# Altium PCB LAY-94611_B.PcbDoc (part 9 of 16) (continued)
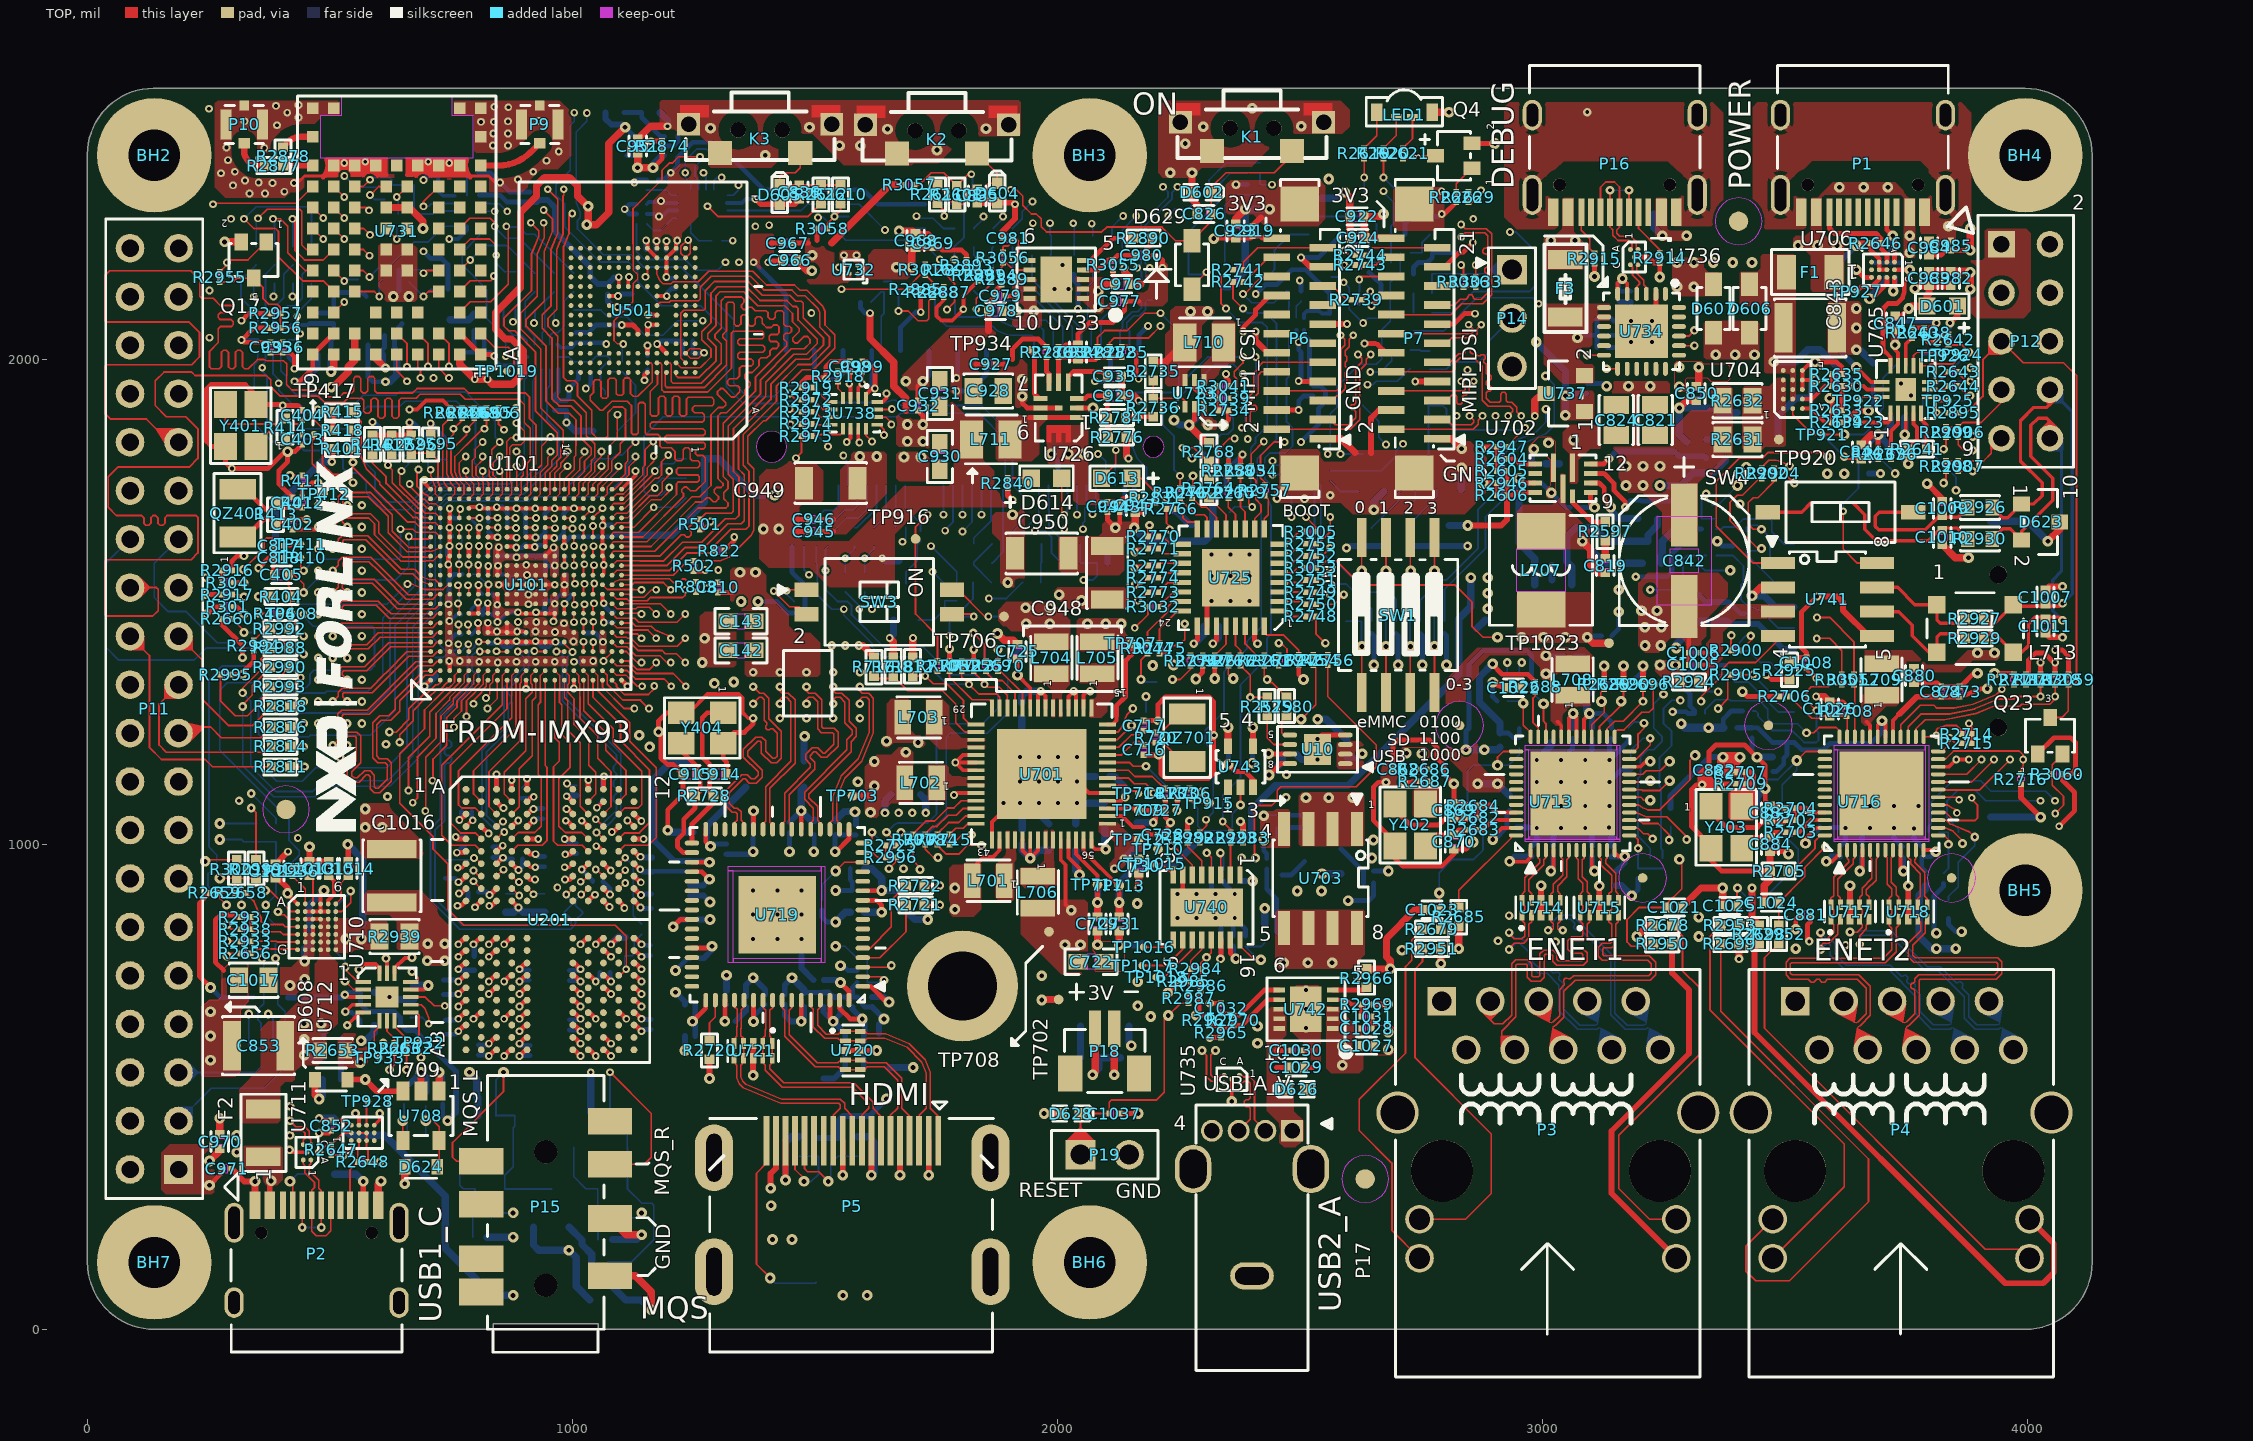
[diagram p0: TOP view]
## Nets (pads, with @x,y where several pads share a name; then routed paths per layer and width w, separated by ;. In a path a pad name is that pad's centre, name@x,y a point inside that pad or via, vN(x,y) a via of type N, cw(c..) or ccw(c..) an arc to the next point about the centre after c; other vN are vias at no path point) (continued)
I2C4_SDA: R2667.1 R2670.1 R2675.1 R2997.2 | length 2595.5
  ART08 w3.09: v6(387.84,765) 365.84,743 346.8,743 330.8,759 330.8,801 314.8,817 274.8,817 231.8,860 231.8,927 273.8,969 428.68,969 453.88,943.8 509.63,920.7 649.1,920.7 734.8,835 838.8,835 861.8,812 944.8,812 971.8,785 971.8,555 1023.8,503 1112.8,503 1216.8,607 1383.8,607 1404.8,628 1404.8,709 1494.8,799 1494.8,836 1532.8,874 1555.8,874 1587.8,906 1587.8,926 1632.8,971 1661.8,971 v6(1682.8,950)
  BOTTOM w3.62: 387.84,795.2 v6(387.84,765) 392.29,760.55 392.29,684 392.29,670.51 407.76,655.04 407.76,616.8 ; 1675.31,976 1675.31,957.49 v6(1682.8,950)
I2C_IND_RST_15_4: R3030.1 U748.3 | length 1080.3
  ART03 w3.09: v3(529.8,2378.5) 530.3,2378.5 553.8,2355 656.8,2355 663.8,2348 909.09,2348 959.09,2398 996.71,2398 999.8,2401.09 999.8,2479 1010.8,2490 1070.8,2490 1085.8,2505 1130,2505 1175,2460 1180,2460 1210,2430 1240,2430 1245,2435 1269.99,2435 1280,2424.99 1280,2394.33 v3(1270.67,2385)
  BOTTOM w3.62: v3(529.8,2378.5) 553.3,2355 602.29,2355 607.29,2360 ; v3(1270.67,2385) 1275.67,2380 U748.3@1275.67,2350.69
I2C_RST_IND: U731.C8 U748.7 | length 1758.8
  TOP w3.62: U731.C8@507.88,2096.77 v3(529.53,2118.42)
  ART03 w3.09: v3(529.53,2118.42) 568.27,2134.47 594.8,2161 751.8,2161 766.8,2146 985.8,2146 1090.8,2041 1090.8,2024 1107.8,2007 1225.8,2007 1254.8,2036 1346.8,2036 1360.8,2050 1462.8,2050 1483.8,2071 1496.8,2071 1516.8,2091 1516.8,2122 1534.3,2139.5 1534.3,2218.5 1549.8,2234 1611.8,2234 v3(1644.8,2267)
  BOTTOM w3.62: U748.7@1319.23,2307.13 1471.93,2307.13 1484.8,2320 1591.8,2320 v3(1644.8,2267)
I2C_WAKE_BT15_4: U731.J9 U748.5 | length 1420.6
  TOP w3.62: v9(258.8,2320) 260.8,2322 429.96,2322 U731.J9@464.57,2356.61
  ART08 w3.09: v9(258.8,2320) 265.3,2326.5 494.3,2326.5 522.8,2355 529.8,2355 568.8,2394 714.1,2394 758.6,2349.5 889.3,2349.5 907.3,2367.5 991.59,2367.5 1020.49,2338.6 1146.11,2338.6 1165.11,2357.6 1340.4,2357.6 v9(1342.8,2360)
  BOTTOM w3.62: U748.5@1319.23,2338.62 1331.42,2338.62 1342.8,2350 v9(1342.8,2360)
I2C_WAKE_WLAN: U731.J8 U748.4 | length 946.8
  TOP w3.62: U731.J8@507.88,2356.61 v3(529.53,2334.96)
  ART03 w3.09: v3(529.53,2334.96) 541.49,2323 610.8,2323 621.8,2312 661.8,2312 685.8,2336 911.8,2336 953.8,2378 998.8,2378 1006.8,2370 1096.8,2370 1117.8,2349 1134.8,2349 1152.8,2367 1169.8,2367 1185.8,2383 1185.8,2392 1196.8,2403 1237.8,2403 1249.8,2391 1249.8,2379 1260.8,2368 1300.8,2368 v3(1307.8,2375)
  BOTTOM w3.62: U748.4@1291.42,2350.69 1291.42,2368.62 1297.8,2375 v3(1307.8,2375)
I3C1_SCL: R2906.1 R3001.2 | length 6296.5
  TOP w3.62: v19(242.8,965) 246,968.2 R3001.2@307.76,968.2 ; 3857.8,1839.49 3857.8,1824.4 3869.2,1813 v20(3887.8,1813)
  ART06 w4: v19(242.8,965) 227.8,950 227.8,547 335.3,439.5 335.3,358.5 309.8,333 309.8,301 335.8,275 692.8,275 802.8,165 955.8,165 974.8,184 1089.8,184 1245.8,28 3515.81,28 4106.51,618.7 4106.51,1594.29 v20(3887.8,1813)
I3C1_SDA: R2907.1 R3000.2 | length 6345.8
  TOP w3.62: 3857.8,1769.49 v20(3887.8,1769.49)
  ART06 w4: v19(272.8,1043.2) 247.8,1018.2 247.8,1000 262.8,985 262.8,950 247.8,935 247.8,910 262.51,895.29 262.51,753 283.8,731.71 283.8,531.61 365.6,449.81 365.6,359.2 398.8,326 676.8,326 785.8,217 1305.8,217 1352.8,170 1352.8,119 1389.8,82 1528.8,82 1537.8,91 1727.8,91 1837.8,201 1882.8,201 1917.8,166 1917.8,111 1977.8,51 3509.8,51 4086.8,628 4086.8,1440.2 4082,1445 4061.8,1445 4018.8,1488 4018.8,1638.49 v20(3887.8,1769.49)
  BOTTOM w3.62: v19(272.8,1043.2) 348.76,1043.2
I3C2_SCL: R2896.2 R2909.1 | length 584.4
  TOP w3.62: v6(3827.8,1815) 3832.8,1820 3832.8,1839.49
  ART08 w3.09: v18(3402.8,1740) 3452.8,1740 3491.3,1701.5 3542.72,1701.5 3564.72,1723.5 3736.3,1723.5 v6(3827.8,1815)
  BOTTOM w3.62: 3349.51,1699.93 3362.73,1699.93 v18(3402.8,1740)
I3C2_SDA: R2898.2 R2908.1 | length 631
  TOP w3.62: v6(3827.8,1745) 3832.8,1750 3832.8,1769.49
  ART08 w3.09: v18(3387.8,1565) 3387.8,1577 3442.9,1632.1 3500.9,1632.1 3572.8,1704 3786.8,1704 v6(3827.8,1745)
  BOTTOM w3.62: R2898.2@3308.94,1574.53 3325.46,1574.53 3334.99,1565 v18(3387.8,1565)
I3C_INT: P12.5 Q23.3 R2895.2 R3059.2 | length 1233.8
  TOP w3.62: 3858.31,1890 3874.99,1890 3908.8,1923.81 3908.8,1999.28 P12.5@3947.13,2037.61 3991.74,1993 4075,1993 4102,1966 4102,1335 4096.49,1329.49 4085,1329.49 4085,1275.01 4071.46,1261.47 Q23.3@4047.5,1261.47
  TOP w10: v9(4057.8,1401) 4072,1401 4085,1388 R3059.2@4085,1350.51
  ART08 w15: 4020.63,1401 v9(4057.8,1401)
I3C_SCL: P12.7 R2906.2 R2909.2 | length 161.2
  TOP w3.62: 3832.8,1860.51 3857.8,1860.51 3867.29,1870 3905,1870 3947.13,1912.13 P12.7@3947.13,1937.61
I3C_SDA: P12.9 R2907.2 R2908.2 | length 139.7
  TOP w3.62: 3832.8,1790.51 3857.8,1790.51 3910.03,1790.51 3926.16,1806.64 3926.16,1816.64 P12.9@3947.13,1837.61
ILIM_5V_VBUS: TP933.1 U712.6 | length 84.7
  TOP w3.62: TP933.1@602.05,560 591.3,570.75 591.3,613.5 602.05,624.25 U712.6@602.05,635.79
IVDD_1V8: C891.1 C892.1 C893.1 C894.1 C895.1 FB26.2 U719.10 U719.35 U719.49 U719.64 | length 681.7
  TOP w10: U719.35@1246.62,963.27 v14(1282.8,963.27) ; v14(1247.8,635) 1275.16,662.36 U719.49@1275.16,678.82 ; v14(1552.8,715) 1570.44,697.36 U719.64@1570.44,678.82 ; U719.10@1598.98,884.53 1627.79,884.53 1637.8,874.52 v14(1637.8,860)
  BOTTOM w10: 1242.8,965.51 1280.56,965.51 v14(1282.8,963.27)
  BOTTOM w12: 1167.8,1007.99 1210.28,965.51 1242.8,965.51 ; C895.1@1253.31,605 1253.31,629.49 v14(1247.8,635) 1253.31,640.51 C892.1@1253.31,670 ; C893.1@1518.31,720 1547.8,720 v14(1552.8,715)
  BOTTOM w15: 1167.8,1007.99 1167.8,1135 1202.8,1170 FB26.2@1240.8,1170 ; 1602.56,860 v14(1637.8,860)
JTAG_TCK: P14.1 R403.1 R3018.1 U101.Y1 | length 4066.6
  TOP w3.62: U101.Y1@1081.76,1338.64 1091.12,1329.28 1091.12,1325.02 1107.14,1309 1156.75,1309 1168.8,1321.05 v3(1168.8,1326.5)
  ART03 w3.09: v3(1168.8,1326.5) 1168.8,1344 1154.8,1358 1136.8,1358 1122.8,1372 1122.8,1530 1147.8,1555 1198.77,1555 1260.17,1616.4 1423.17,1616.4 1433.17,1626.4 1634.2,1626.4 1670.8,1663 1817.8,1663 1824.8,1670 1824.8,1687 1866.45,1728.65 2098.49,1728.65 2120.84,1706.3 2209.24,1706.3 2219.54,1696 2369.83,1696 2387.31,1678.52 2428.25,1678.52 2450.77,1656 2519.8,1656 2560.8,1697 2603.8,1697 2632.8,1726 2699.8,1726 2769.8,1796 2872,1796 2886.5,1781.5 3099.5,1781.5 3134,1816 3274.8,1816 3315,1775.8 3315,1720.01 3330.01,1705 3369.5,1705 3394.5,1680 3414.99,1680 3442.8,1707.81 3442.8,1896 3377.8,1961 3377.8,2041 3315.8,2103 3047.8,2103 3039.8,2095 2985.8,2095 2937.71,2143.09 P14.1@2937.71,2185.33
  BOTTOM w3.62: R3018.1@2772.6,2136.54 R403.1@2772.6,2176.54 2884.34,2176.54 2893.13,2185.33 P14.1@2937.71,2185.33
JTAG_TDI: R2841.1 U101.W1 | length 1252.3
  TOP w3.62: U101.W1@1062.08,1338.64 1062.08,1324.57 1106.65,1280 v4(1127.8,1280)
  ART06 w4: v4(1127.8,1280) 1149.3,1258.5 1182.8,1258.5 1197.8,1243.5 1197.8,1217 1221.3,1193.5 1425.49,1193.5 1458.99,1160 1601.8,1160 1610.3,1151.5 1632.3,1151.5 1649.8,1169 1705.8,1169 1739.8,1203 1739.8,1255.73 1795.3,1311.23 1795.3,1380.5 1803.8,1389 1803.8,1479 1831.8,1507 v4(1858.8,1507)
  BOTTOM w3.62: v4(1858.8,1507) 1895.04,1507 R2841.1@1928,1539.96
JTAG_TDO: R2830.1 U101.Y2 | length 1152.2
  TOP w3.2: U101.Y2@1081.76,1358.32 1091.69,1348.39 1111.52,1348.39 1118.24,1341.67
  TOP w3.62: 1118.24,1341.67 1133.74,1326.17 v4(1143.92,1326.17)
  ART06 w4: v4(1143.92,1326.17) 1143.92,1319.5 1161.61,1301.81 1184.72,1301.81 1192.53,1294 1309.26,1294 1311.8,1291.46 1311.8,1246.19 1352.99,1205 1430.26,1205 1463.76,1171.5 1587.57,1171.5 1612.07,1196 1631.8,1196 1637.8,1190 1657.8,1190 1783.8,1316 1783.8,1358.27 1753.3,1388.77 1753.3,1409 1774.3,1430 v4(1777.8,1430)
  BOTTOM w3.62: v4(1777.8,1430) 1777.8,1472.8 1790,1485 1805,1485 1826,1506 R2830.1@1826,1539.96
JTAG_TMS: P14.2 R3017.1 U101.W2 | length 4075.1
  TOP w3.2: U101.W2@1062.08,1358.32 1071.88,1348.53 1071.88,1330.02 1095.84,1306.06
  TOP w3.62: 1095.84,1306.06 1104.41,1297.49 1140.31,1297.49 v9(1157.8,1280)
  ART06 w4: v45(2710.8,782) 2710.8,810 2752.8,852 2752.8,919 2790.8,957 2790.8,1275 2840.8,1325 2840.8,1440 2817.8,1463 2817.8,1755 2809.8,1763 2809.8,1829 2821.8,1841 2966.27,1841 3006.44,1857.64 3026.8,1878 3026.8,2036 2977.47,2085.33 P14.2@2937.71,2085.33
  ART08 w3.09: v9(1157.8,1280) 1165.8,1288 1302.39,1288 1329.39,1315 1339.8,1315 1352.8,1328 1352.8,1361 1363.8,1372 1599.8,1372 1611.8,1360 1611.8,1344 1718.3,1237.5 1772.3,1237.5 1857.8,1152 2051.8,1152 2083.8,1120 2168.8,1120 2175.8,1127 2202,1127 2231.5,1097.5 2260.5,1097.5 2269,1089 2350.8,1089 2428.8,1167 2480.8,1167 2531.8,1116 2531.8,1003 2515.8,987 2515.8,882 2615.8,782 v45(2710.8,782)
  BOTTOM w3.62: 2767.84,1979.7 2802.5,1979.7 2817.8,1995 2870,1995 2890,2015 2890,2037.62 P14.2@2937.71,2085.33
LD_I2C_SCL: R2934.1 U710.B1 | length 716.1
  TOP w3.62: v6(367.8,905) 375.8,905 419.3,861.5 U710.B1@433.43,861.5
  ART08 w3.09: v6(367.8,905) 375.8,905 432.8,848 604.8,848 650.9,801.9 650.9,723.9 653,721.8 653,595.31 v6(688.05,560.26)
  BOTTOM w3.62: R2934.1@657.29,591.02 667.77,591.02 688.05,570.74 v6(688.05,560.26)
LD_I2C_SDA: R2935.1 R2938.1 U710.C1 | length 697.8
  TOP w3.62: v11(287.8,834) 296.8,825 315.29,825 ; v43(392.8,861) 398.8,855 405.8,855 415.05,845.75 U710.C1@433.43,845.75
  ART03 w3.09: v11(287.8,834) 365.8,834 v43(392.8,861)
  ART08 w3.09: v43(392.8,861) 428.8,825 591.8,825 632.5,784.3 632.5,732.7 602.8,703 602.8,598.02 v6(609.8,591.02)
  BOTTOM w3.62: v6(609.8,591.02) R2935.1@633.31,591.02
LD_NFLT: R2658.2 R2659.2 U712.11 | length 884.3
  TOP w3.62: v6(286.8,875) 273.31,888.49 273.31,900 305.29,900 ; U712.11@667.01,685 696.8,685 714.8,667 v9(736.8,667)
  ART08 w3.09: v6(286.8,875) 323.8,912 345.8,912 364.8,931 408.8,931 435.8,904 435.8,891 459.8,867 658.8,867 713.8,812 770.8,812 778.8,804 778.8,684 773.4,678.6 748.4,678.6 v9(736.8,667)
LD_NINT: R2658.1 U710.D1 | length 149.1
  TOP w3.62: 326.31,900 343.24,883.07 357.8,847.93 357.8,841 363.8,835 402.8,835 407.8,830 U710.D1@433.43,830
LPD4/X_VDD1: C116.1 C117.1 C201.1 C202.1 C203.1 C204.1 C205.1 C209.1 C504.1 C505.1 C506.1 C507.1 C719.1 C720.1 C868.1 C882.1 C920.1 C937.1 C938.1 C941.1 C942.1 C958.1 C959.1 C964.1 C965.1 C1038.1 C1043.1 C1044.1 C1047.1 FB16.1 FB25.1 FB26.1 FB27.1 FB29.1 FB30.1 FB31.1 L705.2 Q16.1 Q23.1 R501.1 R502.1 R712.1 R713.1 R2660.1 R2686.1 R2691.2 R2707.1 R2713.2 R2745.2 R2822.1 R2823.1 R2861.2 R2862.2 R2881.1 R2882.1 R2954.1 R3025.1 R3027.1 R3060.1 TP707.1 TP1090.1 U101.R10 U101.R12 U101.W8 U201.F1 U201.F12 U201.G4 U201.G9 U201.T4 U201.T9 U201.U1 U201.U12 U501.C6 U501.M4 U501.N4 U501.P3 U501.P5 U701.14 U724.1 U728.11 U729.11 U731.A6 U731.A8 U743.5 U745.11 U748.14 U748.15 | length 4676.4
  TOP w8: U101.R10@983.34,1515.8 983.34,1535 v5(983.66,1535.32) 983.66,1535.52 983.34,1535.84 U101.R12@983.34,1555.18 ; U101.W8@1062.08,1476.43 1062.08,1460.16 v5(1064.77,1457.47) ; v12(1173.68,2244.18) 1174.39,2243.47 U501.P5@1174.39,2229.19 ; v12(1193.8,2169.92) 1194.08,2170.2 U501.M4@1194.08,2189.82 U501.N4@1194.08,2209.51 1194.08,2210.01 1202.77,2218.7 1203.27,2218.7 U501.P3@1213.76,2229.19 1213.76,2242.71 v12(1216.25,2245.2) ; U701.14@2103.63,1247.36 2114,1247.36 2122,1255.36 2122,1264.89
  TOP w10: 277.29,1465 277.29,1452.71 319.8,1410.2 v11(319.8,1385) ; v12(761.75,982.92) 777.74,982.92 U201.F1@780.57,985.75 ; v12(764.8,691.4) 777.65,704.25 U201.U1@780.57,704.25 ; v12(859.3,717) 872.14,729.84 U201.T4@875.06,729.84 ; U201.G4@875.06,960.16 887.88,947.34 v12(889.14,947.34) ; v12(1019.22,948.12) 1020.5,948.12 U201.G9@1032.54,960.16 ; U201.T9@1032.54,729.84 1035.46,729.84 v12(1048.3,717) ; U201.U12@1127.03,704.25 1129.95,704.25 v12(1142.8,691.4) ; U201.F12@1127.03,985.75 1138.43,974.35 v12(1140.58,974.35) ; U501.C6@1154.71,2012.66 1155.12,2013.07 v12(1155.12,2028.9) ; 1802.8,1378.51 1827.8,1378.51 v26(1827.8,1402) ; 2122,1264.89 2122,1286 2141,1305 2141,1379 2152.8,1390.8 TP707.1@2152.8,1414.5 ; Q23.1@4022,1186.53 4055.47,1220 4090,1220 4100,1210 4100,1155 4090,1145 4073,1145 4073,1132 4098,1107 4098,1069.5 v4(4066,1037.5)
  TOP w15: v35(502.56,1975) 507.88,1980.32 U731.A8@507.88,2010.16 ; U731.A6@594.49,2010.16 594.49,2002.61 v26(614.8,1982.3) ; U743.5@2352.2,1202.5 v17(2352.2,1241)
  ART03 w15: v11(319.8,1385) 298.8,1406 298.8,1606 319.8,1627 319.8,1818 380.8,1879 431.8,1879 447.8,1895 447.8,1910 476.8,1939 476.8,1953 498.8,1975 v35(502.56,1975)
  ART06 w15: v48(692.8,2223) 666.8,2249 666.8,2344 v4(692.8,2370)
  BOTTOM w8: U728.11@414.3,2065.79 419.51,2071 454.31,2071 457.8,2074.49 ; 722.8,2379.49 722.8,2347.42 732.72,2337.5 757.01,2337.5 ; U729.11@969.3,2030.79 975.6,2024.49 997.8,2024.49 1007.8,2034.49 ; C1047.1@1153.31,2300 1167.8,2300 1172.8,2295 v5(1178.8,2295) 1184.8,2295 1196.93,2307.13 U748.14@1216.37,2307.13 ; C1044.1@1153.31,2320 1158.31,2325 1180.8,2325 v5(1182.8,2327) 1186.93,2322.87 U748.15@1216.37,2322.87 ; U724.1@2508.71,2061.25 2508.71,2051.29 2520,2040
  BOTTOM w10: 457.8,2074.49 482.8,2074.49 507.8,2074.49 507.8,2045 502.56,2039.76 502.56,2010 ; C938.1@457.8,2095.51 C937.1@482.8,2095.51 C958.1@507.8,2095.51 507.8,2128 517.8,2138 566.8,2138 574.8,2130 ; 608.04,2010 608.04,2020.24 612.29,2024.49 C964.1@612.29,2050 ; v48(692.8,2223) 707.8,2208 730.79,2208 743.31,2195.48 743.31,2185 743.31,2145 ; v4(692.8,2370) 702.29,2379.49 722.8,2379.49 ; C202.1@734.06,690.52 763.92,690.52 v12(764.8,691.4) ; v12(761.75,982.92) 772.88,994.05 777.47,994.05 ; v12(889.14,947.34) 897.27,955.47 C116.1@897.27,969.85 ; v5(983.66,1535.32) 985.85,1537.51 C205.1@985.85,1556.65 ; 1007.8,2034.49 1032.8,2034.49 1067.31,2034.49 v12(1069.8,2032) ; v12(1019.22,948.12) 1041.97,925.37 C117.1@1041.97,923.5 ; v12(1048.3,717) 1056.66,725.36 C507.1@1056.66,736.23 ; v5(1064.77,1457.47) 1065.23,1457.93 1084.53,1457.93 ; C504.1@1155.12,2007.58 v12(1155.12,2028.9) ; C209.1@1172.56,2226.12 1172.56,2243.06 v12(1173.68,2244.18) ; R3025.1@1177.8,2370.51 1188.31,2370.51 v5(1202.8,2385) 1217,2399.2 1217,2416.99 1248.01,2448 1287,2448 1310.51,2424.49 1310.51,2410 1334.99,2410 1394.99,2350 1600,2350 1630,2320 1727.29,2320 ; v12(1193.8,2169.92) 1194.72,2169 1198.21,2169 1199.78,2167.43 1212.85,2167.43 ; C506.1@1214.19,2225.81 1214.19,2243.14 v12(1216.25,2245.2) ; v17(1382.97,1500.95) 1421.05,1500.95 1445,1477 1467,1477 1480,1490 1480,1534 1452.8,1561.2 R2861.2@1452.8,1614.49 ; R2822.1@1985.6,2175.04 1985.68,2174.96 R2823.1@2035,2174.96 2035,2162 2042.8,2154.2 v12(2042.8,2104) ; v17(2352.2,1241) 2352.8,1240.4 2352.8,1215.51 ; v12(2500,2163) 2502.8,2160.2 R2745.2@2502.8,2140.51 ; v12(2502.8,1830) 2539,1866.2 2539,1899 2552.8,1912.8 2552.8,1935 2542.29,1945.51 2527.8,1945.51 2520,1953.31 2520,2040
  BOTTOM w12: v12(1140.58,974.35) 1142.04,972.89 C201.1@1164.57,972.89 ; 3264.84,1075.2 3264.84,1100.04 3344.8,1180 v44(3372.8,1180)
  BOTTOM w15: v35(502.56,1975) 502.56,2010 ; 608.04,2010 608.04,1989.06 v26(614.8,1982.3)
  other v17: 2751.8,1187 2719.8,1188 1292.8,1332 1332.8,1335 2062.3,1455 2100,1455 2132,1455 1347.97,1500.95
  other v44: 3407.8,1180
LPD4/X_VDD2: C136.1 C137.1 C138.1 C139.1 C140.1 C141.1 C156.1 C206.1 C207.1 C208.1 C210.1 C211.1 C212.1 C213.1 C214.1 C722.1 C723.1 L706.2 R210.1 R702.1 TP708.1 TP1091.1 U101.L7 U101.N6 U101.N7 U101.R6 U101.T6 U201.A4 U201.A9 U201.AB4 U201.AB9 U201.F5 U201.F8 U201.H1 U201.H5 U201.H8 U201.H12 U201.K1 U201.K3 U201.K10 U201.K12 U201.N1 U201.N3 U201.N10 U201.N12 U201.R1 U201.R5 U201.R8 U201.R12 U201.U5 U201.U8 U701.52 | length 897.6
  TOP w8: U701.52@2007.17,1009.17 2007.17,967.63 2016.8,958 2016.8,876 v13(2028.8,864)
  TOP w10: v16(763.02,873.43) 770.61,873.43 U201.K1@780.57,883.39 ; v16(764.8,742.6) 777.63,755.43 U201.R1@780.57,755.43 ; v16(764.8,793.8) 777.61,806.61 U201.N1@780.57,806.61 ; v16(764.97,922.12) 768.12,922.12 U201.H1@780.57,934.57 ; v16(827.8,793.8) 840.61,806.61 U201.N3@843.56,806.61 ; v16(828.7,873.21) 833.38,873.21 U201.K3@843.56,883.39 ; v16(859.3,563.4) 872.2,576.3 U201.AB4@875.06,576.3 ; U201.A4@875.06,1113.7 v16(875.06,1132.26) ; v16(890.8,691.4) 903.65,704.25 U201.U5@906.56,704.25 ; v16(890.8,742.6) 903.63,755.43 U201.R5@906.56,755.43 ; U201.H5@906.56,934.57 913.59,927.54 v16(922.9,927.54) ; U201.F5@906.56,985.75 912.52,979.79 v16(923.9,979.79) ; v16(984.7,927.54) 994.01,927.54 U201.H8@1001.04,934.57 ; v16(985.26,979.4) 985.65,979.79 995.08,979.79 U201.F8@1001.04,985.75 ; U201.U8@1001.04,704.25 1003.95,704.25 v16(1016.8,691.4) ; U201.R8@1001.04,755.43 1003.97,755.43 v16(1016.8,742.6) ; U201.AB9@1032.54,576.3 1035.4,576.3 v16(1048.3,563.4) ; U201.A9@1032.54,1113.7 1032.54,1132.33 v59(1032.91,1132.7) ; v16(1048.3,793.8) 1061.11,806.61 U201.N10@1064.04,806.61 ; U201.K10@1064.04,883.39 v16(1076.57,870.86) ; U201.R12@1127.03,755.43 1129.97,755.43 v16(1142.8,742.6) ; U201.N12@1127.03,806.61 1129.99,806.61 v16(1142.8,793.8) ; U201.K12@1127.03,883.39 v16(1140.69,869.73) ; U201.H12@1127.03,934.57 1139.9,921.7 v16(1141.15,921.7)
  BOTTOM w10: 737.84,930.2 756.89,930.2 v16(764.97,922.12) ; v16(763.02,873.43) 770.61,873.43 784.87,887.69 C139.1@784.87,901.78 ; v16(890.8,742.6) 892.36,741.04 911.14,741.04 ; v16(923.9,979.79) 928.89,974.8 943.14,974.8 ; v16(985.26,979.4) 987.19,981.33 1008.79,981.33 ; 994.32,740.16 1014.36,740.16 v16(1016.8,742.6) ; v1(1003.33,1376.61) 1022.19,1376.61 C138.1@1022.39,1376.41 ; v16(1140.69,869.73) 1142.36,868.06 C206.1@1163.75,868.06 ; v16(1142.8,793.8) 1144.56,792.04 1160.84,792.04
  BOTTOM w12: v16(764.8,742.6) 767.16,740.24 C207.1@797.8,740.24
  other v12: 1002.33,1418.55 964.02,1437.75 923.85,1438.78 982.73,1455.9 887.77,1458.69 925.59,1458.71
  other v13: 2016,793 2048,793
  other v47: 1159.3,1201 1137.8,1225
LPD4/X_VDDQ: C151.1 C152.1 C153.1 C154.1 C215.1 C216.1 C217.1 C218.1 C219.1 C220.1 C221.1 C222.1 R209.1 R702.2 R704.2 R2941.1 TP702.1 TP1087.1 U101.G6 U101.J6 U101.J7 U101.L6 U201.AA3 U201.AA5 U201.AA8 U201.AA10 U201.B3 U201.B5 U201.B8 U201.B10 U201.D1 U201.D5 U201.D8 U201.D12 U201.F3 U201.F10 U201.U3 U201.U10 U201.W1 U201.W5 U201.W8 U201.W12 | length 1029
  TOP w8: U201.D1@780.57,1036.93 792.36,1048.72 793.63,1048.72 v12(794.48,1049.57) ; v12(825.62,1456.87) 825.86,1456.63 U101.G6@825.86,1437.06 842.81,1437.06 v12(844.51,1438.76) 863.53,1438.76 U101.J6@865.23,1437.06 ; U101.J7@865.23,1456.75 U101.J6@865.23,1437.06 ; U101.L6@904.6,1437.06 902.92,1438.74 v12(886.3,1438.74) 884.62,1437.06 U101.J6@865.23,1437.06 ; v32(1049.36,996.35) 1053.44,996.35 U201.F10@1064.04,985.75 ; v36(1050.41,1075.77) 1051.7,1075.77 U201.B10@1064.04,1088.11 ; v36(1113.31,1049.36) 1114.6,1049.36 U201.D12@1127.03,1036.93
  TOP w10: v12(764.8,640.2) 777.67,653.07 U201.W1@780.57,653.07 ; v12(827.8,589) 840.69,601.89 U201.AA3@843.56,601.89 ; v12(827.8,691.4) 840.65,704.25 U201.U3@843.56,704.25 ; U201.F3@843.56,985.75 855.2,997.39 v12(856.46,997.39) ; U201.B3@843.56,1088.11 856.83,1074.84 v12(858.03,1074.84) ; v12(890.8,589) 903.69,601.89 U201.AA5@906.56,601.89 ; v12(890.8,640.2) 903.67,653.07 U201.W5@906.56,653.07 ; U201.D5@906.56,1036.93 919.06,1049.43 v32(920.34,1049.43) ; U201.B5@906.56,1088.11 916.53,1098.08 v32(920.33,1098.08) ; v32(986.38,1048.71) 989.26,1048.71 U201.D8@1001.04,1036.93 ; v36(988.16,1099.21) 989.94,1099.21 U201.B8@1001.04,1088.11 ; U201.AA8@1001.04,601.89 1003.91,601.89 v12(1016.8,589) ; U201.W8@1001.04,653.07 1003.93,653.07 v12(1016.8,640.2) ; U201.AA10@1064.04,601.89 1066.91,601.89 v12(1079.8,589) ; U201.U10@1064.04,704.25 1066.95,704.25 v12(1079.8,691.4) ; U201.W12@1127.03,653.07 1129.93,653.07 v12(1142.8,640.2)
  TOP w15: v17(1967.8,679) 1968.8,680 TP702.1@2002.8,680
  ART06 w15: v36(988.16,1099.21) 1011.6,1075.77 v36(1050.41,1075.77) 1068.23,1075.77 1094.64,1049.36 v36(1113.31,1049.36)
  BOTTOM w10: C215.1@738.66,638.1 762.7,638.1 v12(764.8,640.2) ; C152.1@792.54,1068.26 792.54,1051.51 v12(794.48,1049.57) ; 806.16,586.6 825.4,586.6 v12(827.8,589) ; v12(825.62,1456.87) 826.01,1456.48 826.01,1436.08 ; 826,1436.07 841.82,1436.07 v12(844.51,1438.76) ; 836.36,994.26 853.33,994.26 v12(856.46,997.39) ; C151.1@865.32,1436.38 867.68,1438.74 v12(886.3,1438.74) 898.01,1438.74 903.02,1433.73 ; v12(890.8,589) 894.29,585.51 912.8,585.51 ; R209.1@895.37,1095.17 917.42,1095.17 v32(920.33,1098.08) ; v32(920.34,1049.43) 923.79,1052.88 939.21,1052.88 ; 993.88,638.37 1014.97,638.37 v12(1016.8,640.2) ; v36(1050.41,1075.77) 1061.96,1087.32 1061.96,1092.21 ; v12(1142.8,640.2) 1144.01,638.99 1162.27,638.99
  BOTTOM w12: v36(988.16,1099.21) 989.52,1100.57 R2941.1@1009.27,1100.57
  other v17: 1967.8,729
LPD4X_VDDQ_0V6: C703.1 C705.1 L701.2 R704.1 U701.44 | length 118.9
  TOP w8: L701.2@1824.93,925 1824.93,951.13 1847.8,974 1867.3,974 1881.19,987.89 U701.44@1881.19,1009.17
  other v7: 1788.8,866 1788.8,910
LVDS_CLK_N: U101.A3 U719.25 | length 2417.2
  TOP w2.79: v6(505.8,1249.45) 516.42,1260.07 516.42,1268.86 524.36,1276.8 577.15,1276.8 677.26,1376.91 706.65,1376.91 U101.A3@707.75,1378.01 ; U719.25@1412.96,1031.18 1412.96,1040.47 1407.49,1045.94 1407.49,1115.69 1459.55,1167.75 1459.55,1298 1445.68,1311.87 1432.8,1311.87 1427.8,1316.87 v6(1427.8,1325)
  ART08 w2.81: v6(505.8,1249.45) 514.8,1240.45 514.8,1232.22 525.98,1221.04 552.78,1221.04 556.8,1217.02 556.8,1183.02 567.82,1172 649.78,1172 658.78,1181 703.99,1181 706.8,1178.19 706.8,1153.84 716.63,1144.01 736.69,1144.01 761.84,1169.16 761.84,1186.1 758.84,1189.1 758.84,1196.06 763.84,1201.06 770.8,1201.06 773.8,1198.06 790.74,1198.06 805.45,1212.77 805.45,1226.69 797.45,1234.69 797.45,1241.65 802.45,1246.65 809.41,1246.65 824.78,1231.28 841.97,1231.28 851.8,1241.11 851.8,1289.18 854.62,1292 872.95,1292 875.76,1289.19 875.76,1239.96 886.72,1229 906.52,1229 919.48,1241.96 919.48,1290.06 924.42,1295 931.4,1295 936.34,1290.06 936.34,1239.96 947.3,1229 964.24,1229 977.2,1241.96 977.2,1290.06 982.14,1295 989.12,1295 994.06,1290.06 994.06,1239.96 1005.02,1229 1023.98,1229 1034.92,1239.94 1034.92,1318.19 1038.23,1321.5 1048.34,1321.5 1051.78,1318.06 1051.78,1238.83 1061.61,1229 1087.82,1229 1153.82,1163 1287.7,1163 1342.6,1185.73 1355.8,1198.93 1355.8,1228.19 1358.61,1231 1448.96,1231 1458.8,1240.84 1458.8,1303.23 1448.53,1313.5 1439.3,1313.5 v6(1427.8,1325)
LVDS_CLK_P: U101.B3 U719.26 | length 2416.6
  TOP w2.79: v6(535.8,1249.45) 525.22,1260.03 525.22,1265.21 528.01,1268 580.8,1268 614.02,1301.22 ; 614.03,1301.22 624.03,1311.22 ; 624.02,1311.22 680.91,1368.11 710.3,1368.11 710.35,1368.16 711.73,1368.16 721.58,1378.01 U101.B3@727.43,1378.01 ; U719.26@1393.27,1031.18 1393.27,1041.85 1398.69,1047.27 1398.69,1119.34 1450.75,1171.4 1450.75,1294.35 1441.98,1303.12 1432.8,1303.12 1427.8,1298.12 v6(1427.8,1290)
  ART08 w2.81: v6(535.8,1249.45) 526.8,1240.45 526.8,1237.2 530.96,1233.04 557.76,1233.04 568.8,1222 568.8,1188 572.8,1184 581.01,1184 583.82,1186.81 583.82,1189.19 586.63,1192 592.25,1192 595.06,1189.19 595.06,1186.81 597.87,1184 644.8,1184 653.8,1193 664.76,1193 667.57,1195.81 667.57,1199.19 670.38,1202 676,1202 678.81,1199.19 678.81,1195.81 681.62,1193 687.24,1193 690.05,1195.81 690.05,1199.19 692.86,1202 698.48,1202 701.29,1199.19 701.29,1195.81 704.1,1193 708.97,1193 718.8,1183.17 718.8,1158.82 721.61,1156.01 731.71,1156.01 749.84,1174.14 749.84,1181.12 746.84,1184.12 746.84,1201.04 758.86,1213.06 775.78,1213.06 778.78,1210.06 785.76,1210.06 793.45,1217.75 793.45,1221.71 785.45,1229.71 785.45,1246.63 797.47,1258.65 814.39,1258.65 829.76,1243.28 836.99,1243.28 839.8,1246.09 839.8,1294.16 849.64,1304 877.93,1304 887.76,1294.17 887.76,1244.94 891.7,1241 901.54,1241 907.48,1246.94 907.48,1295.04 919.44,1307 936.38,1307 948.34,1295.04 948.34,1244.94 952.28,1241 959.26,1241 965.2,1246.94 965.2,1295.04 977.16,1307 994.1,1307 1006.06,1295.04 1006.06,1244.94 1010,1241 1019,1241 1022.92,1244.92 1022.92,1323.17 1033.25,1333.5 1053.32,1333.5 1063.78,1323.04 1063.78,1243.81 1066.59,1241 1092.8,1241 1158.8,1175 1167.92,1175 1170.73,1177.81 1170.73,1181.19 1173.54,1184 1179.16,1184 1181.97,1181.19 1181.97,1177.81 1184.78,1175 1190.4,1175 1193.21,1177.81 1193.21,1181.19 1196.02,1184 1201.64,1184 1204.45,1181.19 1204.45,1177.81 1207.26,1175 1285.31,1175 1335.8,1195.91 1343.8,1203.91 1343.8,1233.17 1353.63,1243 1387.71,1243 1390.52,1245.81 1390.52,1248.19 1393.33,1251 1398.95,1251 1401.76,1248.19 1401.76,1245.81 1404.57,1243 1443.98,1243 1446.8,1245.82 1446.8,1298.25 1443.55,1301.5 1439.3,1301.5 v6(1427.8,1290)
LVDS_NRST: R2731.2 R3032.2 | length 1796.3
  TOP w3.62: v4(2159.8,1446.5) 2187.29,1473.99 2187.29,1490
  ART06 w4: v19(1542.8,790) 1631.8,701 1658.8,701 1671.8,688 1671.8,652 1747.3,576.5 1988.3,576.5 2065.8,654 2065.8,738 2105.8,778 2105.8,889 2157.8,941 2157.8,997.42 2139.8,1015.42 2139.8,1068.16 2158.3,1086.66 2158.3,1105.92 2113.8,1150.42 2113.8,1200 2016.3,1297.5 2016.3,1323.5 2042.8,1350 2042.8,1428.5 2047.3,1433 2146.3,1433 v4(2159.8,1446.5)
  BOTTOM w3.62: v19(1542.8,790) 1562.29,790 1587.29,765
LVDS_RST: C916.1 R2729.1 R2731.1 U719.2 | length 171.9
  TOP w3.62: U719.2@1598.98,727.05 1635.75,727.05 v15(1642.8,720)
  BOTTOM w3.62: 1608.31,765 1608.31,740 C916.1@1608.31,715 1630.75,715 1635.75,720 v15(1642.8,720)
  BOTTOM w10: v14(1552.8,750) 1557.8,750 1567.8,740 R2729.1@1587.29,740
LVDS_TX0_N: U101.A5 U719.18 | length 2422.2
  TOP w2.79: v6(505.8,1339.45) 516.42,1350.07 516.42,1358.31 524.79,1366.68 572.1,1366.68 621.7,1416.28 706.65,1416.28 U101.A5@707.75,1417.38 ; U719.18@1550.75,1031.18 1550.75,1044.05 1545.28,1049.52 1545.28,1049.67 1545.33,1049.72 1545.33,1096.45 1562.06,1136.79 1596.63,1171.38 1620.85,1229.88 1620.85,1301.77 1613.31,1309.31 1613.24,1309.31 1610.68,1311.87 1597.8,1311.87 1592.8,1316.87 v6(1592.8,1325)
  ART08 w2.81: v6(505.8,1339.45) 514.8,1330.45 514.8,1326.2 511.55,1322.95 407.02,1322.95 375.8,1291.73 375.8,1181.02 532.59,1024.23 544.54,1019.28 560.82,1003 685.27,1003 722.02,1018.22 751.55,1047.75 755.1,1056.32 760.92,1062.14 803.36,1079.72 874,1093.77 985.58,1140 994.82,1140 1004.8,1130.02 1004.8,1120 1031.8,1093 1050.75,1093 1101.39,1072 1320.29,1072 1443.43,1123 1518.9,1123 1549.46,1135.66 1623.8,1210 1623.8,1303.23 1613.53,1313.5 1604.3,1313.5 v6(1592.8,1325)
LVDS_TX0_P: U101.B5 U719.19 | length 2421.3
  TOP w2.79: v6(535.8,1339.45) 525.17,1350.08 525.17,1354.61 528.44,1357.88 575.75,1357.88 615.91,1398.04 625.36,1407.48 711.68,1407.48 721.58,1417.38 U101.B5@727.43,1417.38 ; U719.19@1531.07,1031.18 1531.07,1044.26 1536.53,1049.72 1536.53,1098.21 1554.59,1141.78 1589.16,1176.37 1612.05,1231.64 1612.05,1298.12 1607.05,1303.12 1597.8,1303.12 1592.8,1298.12 v6(1592.8,1290)
  ART08 w2.81: v6(535.8,1339.45) 526.8,1330.45 526.8,1321.22 516.53,1310.95 433.93,1310.95 431.12,1308.14 431.12,1305.81 428.31,1303 422.69,1303 419.88,1305.81 419.88,1308.14 417.07,1310.95 412,1310.95 404.97,1303.92 404.97,1299.94 405.86,1299.05 405.86,1295.07 401.89,1291.1 397.91,1291.1 397.02,1291.99 393.04,1291.99 387.8,1286.75 387.8,1213.07 390.61,1210.26 393.99,1210.26 396.8,1207.45 396.8,1201.83 393.99,1199.02 390.61,1199.02 387.8,1196.21 387.8,1186 391.69,1182.11 395.67,1182.11 397.69,1184.13 401.67,1184.13 405.64,1180.16 405.64,1176.18 403.62,1174.16 403.62,1170.18 407.59,1166.21 411.57,1166.21 413.59,1168.23 417.57,1168.23 421.54,1164.26 421.54,1160.28 419.52,1158.26 419.52,1154.28 539.39,1034.41 551.34,1029.46 565.8,1015 682.88,1015 715.22,1028.4 741.37,1054.55 744.92,1063.12 754.12,1072.32 799.86,1091.26 870.5,1105.31 983.19,1152 999.8,1152 1016.8,1135 1016.8,1124.98 1036.78,1105 1053.14,1105 1103.78,1084 1317.9,1084 1441.04,1135 1516.51,1135 1542.66,1145.84 1592.76,1195.94 1592.76,1199.92 1592.23,1200.45 1592.23,1204.43 1596.2,1208.4 1600.18,1208.4 1600.71,1207.87 1604.69,1207.87 1611.8,1214.98 1611.8,1226.82 1608.99,1229.63 1606.61,1229.63 1603.8,1232.44 1603.8,1238.06 1606.61,1240.87 1608.99,1240.87 1611.8,1243.68 1611.8,1298.25 1608.55,1301.5 1604.3,1301.5 v6(1592.8,1290)